# Allegro board hash851-X26_V1_0_180425.brd
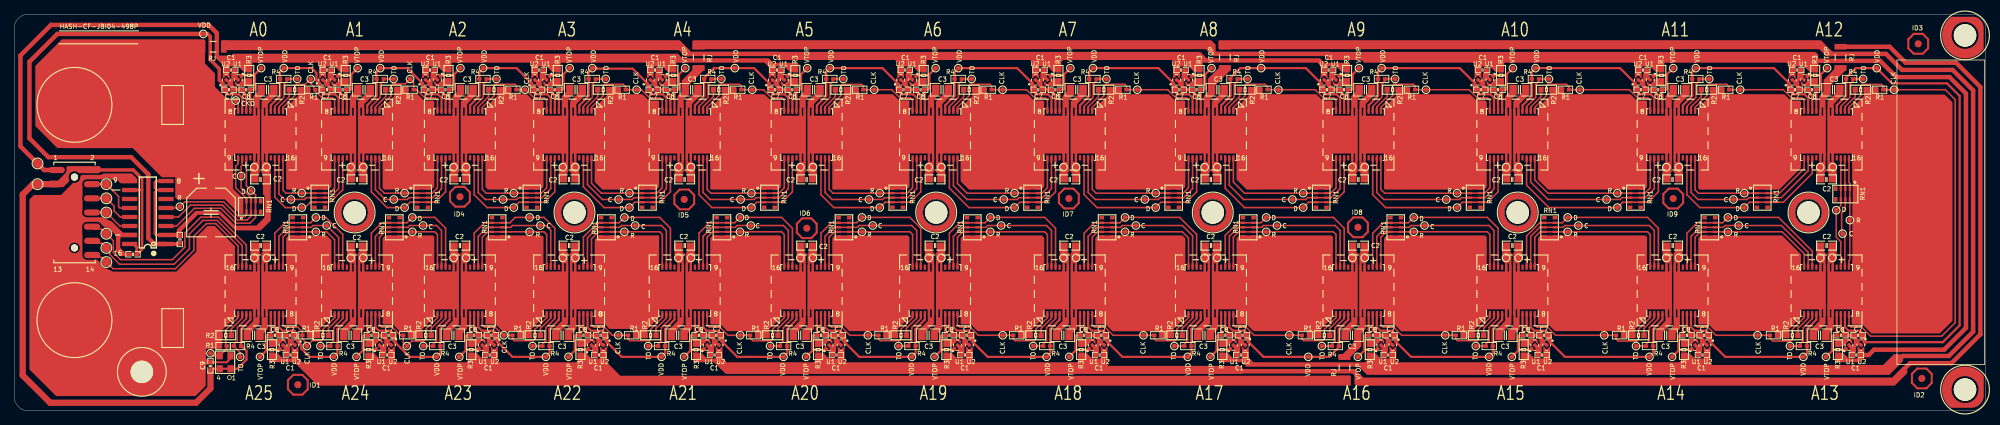
[diagram p0: board, top side]
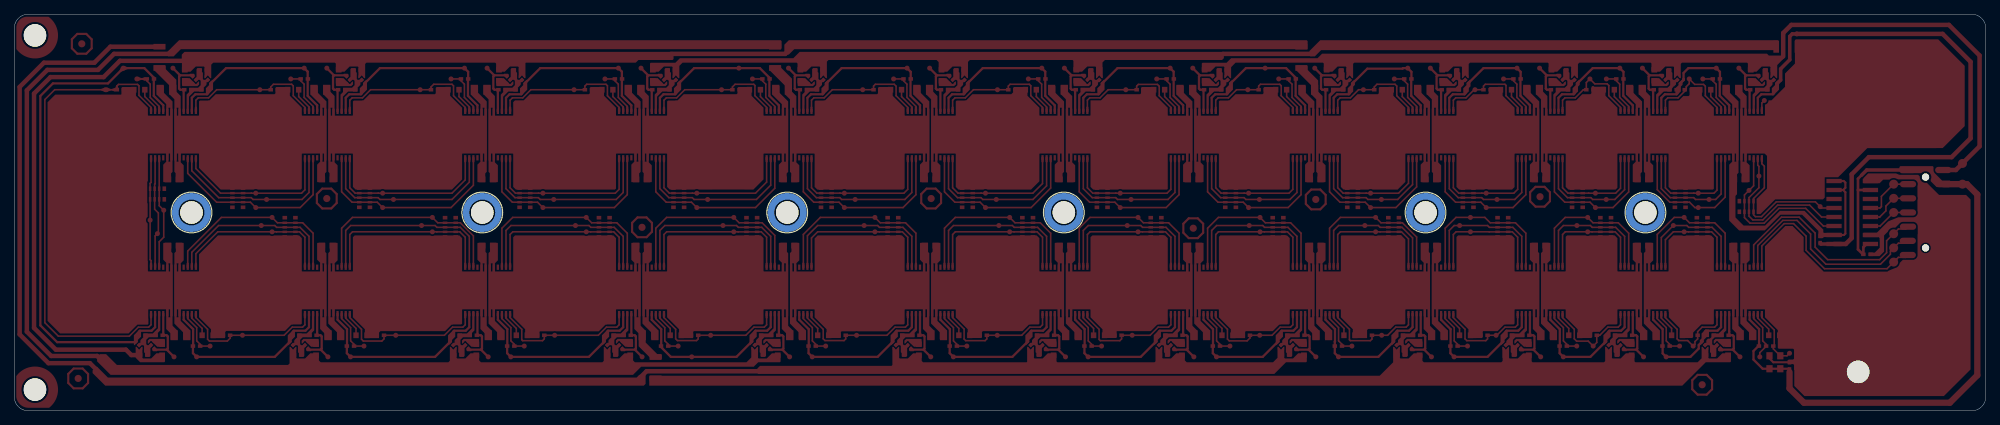
[diagram p1: board, bottom side, seen from below]

Outline 278 x 56 mm; copper layers: TOP, BOTTOM. Coordinates in mm from the lower left corner of the outline.
Outline path: 0,54 arc(0.59,55.41) 2,56 276,56 arc(277.41,55.41) 278,54 278,2 arc(277.41,0.59) 276,0 2,0 arc(0.59,0.59) 0,2 0,54

## Placement (name value [footprint] x y rotation side)
+_A0  -  [TP28]  33.85 34.4 0 top
+_A1  -  [TP28]  47.45 34.4 180 top
+_A2  -  [TP28]  61.95 34.4 0 top
+_A3  -  [TP28]  77.35 34.4 0 top
+_A4  -  [TP28]  93.65 34.4 0 top
+_A5  -  [TP28]  110.85 34.4 0 top
+_A6  -  [TP28]  128.95 34.4 0 top
+_A7  -  [TP28]  147.95 34.4 0 top
+_A8  -  [TP28]  167.85 34.4 0 top
+_A9  -  [TP28]  188.65 34.4 0 top
+_A10  -  [TP28]  210.35 34.4 0 top
+_A11  -  [TP28]  232.95 34.4 0 top
+_A12  -  [TP28]  254.65 34.4 0 top
+_A13  -  [TP28]  256.35 21.6 0 top
+_A14  -  [TP28]  254.65 21.6 180 top
+_A15  -  [TP28]  232.95 21.6 180 top
+_A16  -  [TP28]  210.35 21.6 180 top
+_A17  -  [TP28]  188.65 21.6 180 top
+_A18  -  [TP28]  167.85 21.6 180 top
+_A19  -  [TP28]  147.95 21.6 180 top
+_A20  -  [TP28]  128.95 21.6 180 top
+_A21  -  [TP28]  110.85 21.6 180 top
+_A22  -  [TP28]  93.65 21.6 180 top
+_A23  -  [TP28]  63.73 21.6 180 top
+_A24  -  [TP28]  61.95 21.6 180 top
+_A25  -  [TP28]  35.63 21.6 180 top
-_A0  -  [TP28]  35.58 34.4 180 top
-_A1  -  [TP28]  49.23 34.4 0 top
-_A2  -  [TP28]  63.73 34.4 0 top
-_A3  -  [TP28]  79.13 34.4 0 top
-_A4  -  [TP28]  95.43 34.4 0 top
-_A5  -  [TP28]  112.63 34.4 0 top
-_A6  -  [TP28]  130.73 34.4 0 top
-_A7  -  [TP28]  149.73 34.4 0 top
-_A8  -  [TP28]  169.63 34.4 0 top
-_A9  -  [TP28]  190.43 34.4 0 top
-_A10  -  [TP28]  212.13 34.4 0 top
-_A11  -  [TP28]  234.73 34.4 0 top
-_A12  -  [TP28]  256.43 34.4 0 top
-_A13  -  [TP28]  234.73 21.6 180 top
-_A14  -  [TP28]  212.13 21.6 180 top
-_A15  -  [TP28]  190.43 21.6 180 top
-_A16  -  [TP28]  169.63 21.6 180 top
-_A17  -  [TP28]  149.73 21.6 180 top
-_A18  -  [TP28]  130.73 21.6 180 top
-_A19  -  [TP28]  112.63 21.6 180 top
-_A20  -  [TP28]  95.43 21.6 180 top
-_A21  -  [TP28]  79.13 21.6 180 top
-_A22  -  [TP28]  77.35 21.6 180 top
-_A23  -  [TP28]  49.23 21.6 180 top
-_A24  -  [TP28]  47.45 21.6 180 top
-_A25  -  [TP28]  33.85 21.6 180 top
A8_A0  -  [DFN-A8-007]  34.74 39 270 top
A8_A1  -  [DFN-A8-007]  48.34 39 270 top
A8_A2  -  [DFN-A8-007]  62.84 39 270 top
A8_A3  -  [DFN-A8-007]  78.24 39 270 top
A8_A4  -  [DFN-A8-007]  94.54 39 270 top
A8_A5  -  [DFN-A8-007]  111.74 39 270 top
A8_A6  -  [DFN-A8-007]  129.84 39 270 top
A8_A7  -  [DFN-A8-007]  148.84 39 270 top
A8_A8  -  [DFN-A8-007]  168.74 39 270 top
A8_A9  -  [DFN-A8-007]  189.54 39 270 top
A8_A10  -  [DFN-A8-007]  211.24 39 270 top
A8_A11  -  [DFN-A8-007]  233.84 39 270 top
A8_A12  -  [DFN-A8-007]  255.54 39 270 top
A8_A13  -  [DFN-A8-007]  255.54 17 90 top
A8_A14  -  [DFN-A8-007]  233.84 17 90 top
A8_A15  -  [DFN-A8-007]  211.24 17 90 top
A8_A16  -  [DFN-A8-007]  189.54 17 90 top
A8_A17  -  [DFN-A8-007]  168.74 17 90 top
A8_A18  -  [DFN-A8-007]  148.84 17 90 top
A8_A19  -  [DFN-A8-007]  129.84 17 90 top
A8_A20  -  [DFN-A8-007]  111.74 17 90 top
A8_A21  -  [DFN-A8-007]  94.54 17 90 top
A8_A22  -  [DFN-A8-007]  78.24 17 90 top
A8_A23  -  [DFN-A8-007]  62.84 17 90 top
A8_A24  -  [DFN-A8-007]  48.34 17 90 top
A8_A25  -  [DFN-A8-007]  34.74 17 90 top
C1_A0  -  [C0402]  30.54 48.12 0 top
C1_A1  -  [C0402]  44.14 48.12 0 top
C1_A2  -  [C0402]  58.64 48.12 0 top
C1_A3  -  [C0402]  74.04 48.12 0 top
C1_A4  -  [C0402]  90.34 48.12 0 top
C1_A5  -  [C0402]  107.54 48.12 0 top
C1_A6  -  [C0402]  125.64 48.12 0 top
C1_A7  -  [C0402]  144.64 48.12 0 top
C1_A8  -  [C0402]  164.54 48.12 0 top
C1_A9  -  [C0402]  185.34 48.12 0 top
C1_A10  -  [C0402]  207.04 48.12 0 top
C1_A11  -  [C0402]  229.64 48.12 0 top
C1_A12  -  [C0402]  251.34 48.12 0 top
C1_A13  -  [C0402]  259.74 7.88 180 top
C1_A14  -  [C0402]  238.04 7.88 180 top
C1_A15  -  [C0402]  215.44 7.88 180 top
C1_A16  -  [C0402]  193.74 7.88 180 top
C1_A17  -  [C0402]  172.94 7.88 180 top
C1_A18  -  [C0402]  153.04 7.88 180 top
C1_A19  -  [C0402]  134.04 7.88 180 top
C1_A20  -  [C0402]  115.94 7.88 180 top
C1_A21  -  [C0402]  98.74 7.88 180 top
C1_A22  -  [C0402]  82.44 7.88 180 top
C1_A23  -  [C0402]  67.04 7.88 180 top
C1_A24  -  [C0402]  52.54 7.88 180 top
C1_A25  -  [C0402]  38.94 7.88 180 top
C2_A0  -  [C0603]  34.74 32.68 0 top
C2_A1  -  [C0603]  48.34 32.68 0 top
C2_A2  -  [C0603]  62.84 32.68 0 top
C2_A3  -  [C0603]  78.24 32.68 0 top
C2_A4  -  [C0603]  94.54 32.68 0 top
C2_A5  -  [C0603]  111.74 32.68 0 top
C2_A6  -  [C0603]  129.84 32.68 0 top
C2_A7  -  [C0603]  148.84 32.68 0 top
C2_A8  -  [C0603]  168.74 32.68 0 top
C2_A9  -  [C0603]  189.54 32.68 0 top
C2_A10  -  [C0603]  211.24 32.68 0 top
C2_A11  -  [C0603]  233.84 32.68 0 top
C2_A12  -  [C0603]  255.54 32.68 0 top
C2_A13  -  [C0603]  255.54 23.32 180 top
C2_A14  -  [C0603]  233.84 23.32 180 top
C2_A15  -  [C0603]  211.24 23.32 180 top
C2_A16  -  [C0603]  189.54 23.32 180 top
C2_A17  -  [C0603]  168.74 23.32 180 top
C2_A18  -  [C0603]  148.84 23.32 180 top
C2_A19  -  [C0603]  129.84 23.32 180 top
C2_A20  -  [C0603]  111.74 23.32 180 top
C2_A21  -  [C0603]  94.54 23.32 180 top
C2_A22  -  [C0603]  78.24 23.32 180 top
C2_A23  -  [C0603]  62.84 23.32 180 top
C2_A24  -  [C0603]  48.34 23.32 180 top
C2_A25  -  [C0603]  34.74 23.32 180 top
C3_A0  -  [C0805]  35.73 45.33 0 top
C3_A1  -  [C0805]  49.33 45.33 0 top
C3_A2  -  [C0805]  63.83 45.33 0 top
C3_A3  -  [C0805]  79.23 45.33 0 top
C3_A4  -  [C0805]  95.53 45.33 0 top
C3_A5  -  [C0805]  112.73 45.33 0 top
C3_A6  -  [C0805]  130.83 45.33 0 top
C3_A7  -  [C0805]  149.83 45.33 0 top
C3_A8  -  [C0805]  169.73 45.33 0 top
C3_A9  -  [C0805]  190.53 45.33 0 top
C3_A10  -  [C0805]  212.23 45.33 0 top
C3_A11  -  [C0805]  234.83 45.33 0 top
C3_A12  -  [C0805]  256.53 45.33 0 top
C3_A13  -  [C0805]  254.55 10.67 180 top
C3_A14  -  [C0805]  232.86 10.67 180 top
C3_A15  -  [C0805]  210.26 10.67 180 top
C3_A16  -  [C0805]  188.56 10.67 180 top
C3_A17  -  [C0805]  167.76 10.67 180 top
C3_A18  -  [C0805]  147.86 10.67 180 top
C3_A19  -  [C0805]  128.86 10.67 180 top
C3_A20  -  [C0805]  110.76 10.67 180 top
C3_A21  -  [C0805]  93.56 10.67 180 top
C3_A22  -  [C0805]  77.26 10.67 180 top
C3_A23  -  [C0805]  61.86 10.67 180 top
C3_A24  -  [C0805]  47.35 10.67 180 top
C3_A25  -  [C0805]  33.76 10.67 180 top
C4  -  [C6666-100]  27.75 28 180 top
C5  -  [C0402]  23.36 24.19 90 top
C6  -  [C0402]  16.75 22.1 180 top
C7_A0  -  [C0402]  30.3 45.33 0 top
C7_A1  -  [C0402]  44.1 45.33 0 top
C7_A2  -  [C0402]  58.4 45.33 0 top
C7_A3  -  [C0402]  73.8 45.33 0 top
C7_A4  -  [C0402]  90.1 45.33 0 top
C7_A5  -  [C0402]  107.3 45.33 0 top
C7_A6  -  [C0402]  125.4 45.33 0 top
C7_A7  -  [C0402]  144.4 45.33 0 top
C7_A8  -  [C0402]  164.3 45.33 0 top
C7_A9  -  [C0402]  185.1 45.33 0 top
C7_A10  -  [C0402]  206.8 45.33 0 top
C7_A11  -  [C0402]  229.4 45.33 0 top
C7_A12  -  [C0402]  251.1 45.33 0 top
C7_A13  -  [C0402]  259.98 10.67 180 top
C7_A14  -  [C0402]  238.28 10.67 180 top
C7_A15  -  [C0402]  215.68 10.67 180 top
C7_A16  -  [C0402]  193.98 10.67 180 top
C7_A17  -  [C0402]  173.18 10.67 180 top
C7_A18  -  [C0402]  153.28 10.67 180 top
C7_A19  -  [C0402]  134.28 10.67 180 top
C7_A20  -  [C0402]  116.18 10.67 180 top
C7_A21  -  [C0402]  98.98 10.67 180 top
C7_A22  -  [C0402]  82.68 10.67 180 top
C7_A23  -  [C0402]  67.28 10.67 180 top
C7_A24  -  [C0402]  52.78 10.67 180 top
C7_A25  -  [C0402]  38.85 10.67 180 top
C8_A0  -  [C0402]  32.71 45.33 0 top
C8_A1  -  [C0402]  46.31 45.33 0 top
C8_A2  -  [C0402]  60.81 45.33 0 top
C8_A3  -  [C0402]  76.21 45.33 0 top
C8_A4  -  [C0402]  92.51 45.33 0 top
C8_A5  -  [C0402]  109.71 45.33 0 top
C8_A6  -  [C0402]  127.81 45.33 0 top
C8_A7  -  [C0402]  146.81 45.33 0 top
C8_A8  -  [C0402]  166.71 45.33 0 top
C8_A9  -  [C0402]  187.51 45.33 0 top
C8_A10  -  [C0402]  209.21 45.33 0 top
C8_A11  -  [C0402]  231.81 45.33 0 top
C8_A12  -  [C0402]  253.51 45.33 0 top
C8_A13  -  [C0402]  257.57 10.67 180 top
C8_A14  -  [C0402]  235.87 10.67 180 top
C8_A15  -  [C0402]  213.27 10.67 180 top
C8_A16  -  [C0402]  191.57 10.67 180 top
C8_A17  -  [C0402]  170.77 10.67 180 top
C8_A18  -  [C0402]  150.87 10.67 180 top
C8_A19  -  [C0402]  131.87 10.67 180 top
C8_A20  -  [C0402]  113.77 10.67 180 top
C8_A21  -  [C0402]  96.57 10.67 180 top
C8_A22  -  [C0402]  80.27 10.67 180 top
C8_A23  -  [C0402]  64.87 10.67 180 top
C8_A24  -  [C0402]  50.37 10.67 180 top
C8_A25  -  [C0402]  36.77 10.67 180 top
C9  -  [C0402]  27.68 6.35 90 top
C_A0  -  [TP28]  31.99 33.15 180 top
C_A1  -  [TP28]  39.02 29.84 180 top
C_A2  -  [TP28]  53.52 29.84 180 top
C_A3  -  [TP28]  68.92 29.84 180 top
C_A4  -  [TP28]  85.22 29.84 180 top
C_A5  -  [TP28]  102.42 29.84 180 top
C_A6  -  [TP28]  120.52 29.84 180 top
C_A7  -  [TP28]  139.52 29.84 180 top
C_A8  -  [TP28]  159.42 29.84 180 top
C_A9  -  [TP28]  180.22 29.84 180 top
C_A10  -  [TP28]  201.92 29.84 180 top
C_A11  -  [TP28]  224.52 29.84 180 top
C_A12  -  [TP28]  242.41 29.84 180 top
C_A13  -  [TP28]  257.8 25.02 0 top
C_A14  -  [TP28]  243.16 26.16 0 top
C_A15  -  [TP28]  220.56 26.16 0 top
C_A16  -  [TP28]  198.86 26.16 0 top
C_A17  -  [TP28]  178.06 26.16 0 top
C_A18  -  [TP28]  158.16 26.16 0 top
C_A19  -  [TP28]  139.16 26.16 0 top
C_A20  -  [TP28]  121.06 26.16 0 top
C_A21  -  [TP28]  103.86 26.16 0 top
C_A22  -  [TP28]  87.56 26.16 0 top
C_A23  -  [TP28]  74.19 26.16 0 top
C_A24  -  [TP28]  57.66 26.16 0 top
C_A25  -  [TP28]  44.06 26.16 0 top
CI  -  [TP50]  13 23 0 top
CLK  -  [TP28]  27.68 8.13 0 top
CLK_A0  -  [TP28]  31.23 43.81 180 top
CLK_A1  -  [TP28]  41.82 46.86 180 top
CLK_A2  -  [TP28]  55.82 46.86 180 top
CLK_A3  -  [TP28]  72.03 45.33 180 top
CLK_A4  -  [TP28]  87.76 45.33 180 top
CLK_A5  -  [TP28]  104.06 45.33 180 top
CLK_A6  -  [TP28]  121.26 45.33 180 top
CLK_A7  -  [TP28]  139.36 45.33 180 top
CLK_A8  -  [TP28]  158.36 45.33 180 top
CLK_A9  -  [TP28]  178.26 45.33 180 top
CLK_A10  -  [TP28]  199.06 45.33 180 top
CLK_A11  -  [TP28]  220.76 45.33 180 top
CLK_A12  -  [TP28]  243.36 45.33 180 top
CLK_A13  -  [TP28]  265.06 45.33 180 top
CLK_A14  -  [TP28]  245.81 10.67 0 top
CLK_A15  -  [TP28]  224.2 10.67 0 top
CLK_A16  -  [TP28]  201.79 10.67 0 top
CLK_A17  -  [TP28]  179.8 10.67 0 top
CLK_A18  -  [TP28]  159.22 10.67 0 top
CLK_A19  -  [TP28]  139.39 10.67 0 top
CLK_A20  -  [TP28]  120.36 10.67 0 top
CLK_A21  -  [TP28]  102.38 10.67 0 top
CLK_A22  -  [TP28]  85.18 10.67 0 top
CLK_A23  -  [TP28]  69.05 10.67 0 top
CLK_A24  -  [TP28]  55.36 9.14 0 top
CLK_A25  -  [TP28]  41.27 9.14 0 top
CO  -  [TP50]  13 30 0 top
D_A0  -  [TP28]  33.39 31.11 180 top
D_A1  -  [TP28]  40.55 28.7 180 top
D_A2  -  [TP28]  55.05 28.7 180 top
D_A3  -  [TP28]  70.45 28.7 180 top
D_A4  -  [TP28]  86.75 28.7 180 top
D_A5  -  [TP28]  103.95 28.7 180 top
D_A6  -  [TP28]  122.05 28.7 180 top
D_A7  -  [TP28]  141.05 28.7 180 top
D_A8  -  [TP28]  160.95 28.7 180 top
D_A9  -  [TP28]  181.75 28.7 180 top
D_A10  -  [TP28]  203.45 28.7 180 top
D_A11  -  [TP28]  226.05 28.7 180 top
D_A12  -  [TP28]  243.94 28.7 180 top
D_A13  -  [TP28]  256.91 28.32 0 top
D_A14  -  [TP28]  241.64 27.3 0 top
D_A15  -  [TP28]  219.04 27.3 0 top
D_A16  -  [TP28]  197.34 27.3 0 top
D_A17  -  [TP28]  176.54 27.3 0 top
D_A18  -  [TP28]  156.64 27.3 0 top
D_A19  -  [TP28]  137.64 27.3 0 top
D_A20  -  [TP28]  119.54 27.3 0 top
D_A21  -  [TP28]  102.34 27.3 0 top
D_A22  -  [TP28]  86.04 27.3 0 top
D_A23  -  [TP28]  72.67 27.3 0 top
D_A24  -  [TP28]  56.14 27.3 0 top
D_A25  -  [TP28]  42.54 27.3 0 top
DI  -  [TP50]  13 25 0 top
DO  -  [TP50]  13 28 0 top
GND1  -  [PILLAR-10_2MM]  8.5 12.8 0 top
GND2  -  [TP40]  22.34 11.68 0 top
ID1  -  [ID1]  40 3.68 0 top
ID2  -  [ID1]  268.98 4.57 0 top
ID3  -  [ID1]  268.47 51.82 0 top
ID4  -  [ID1]  62.86 30.23 0 top
ID5  -  [ID1]  94.48 29.84 0 top
ID6  -  [ID1]  111.75 25.78 0 top
ID7  -  [ID1]  148.71 29.97 0 top
ID8  -  [ID1]  189.47 25.91 0 top
ID9  -  [ID1]  233.92 29.97 0 top
J1  -  [HEAD-IDC-14-80-275-P2-SMD]  8.5 28 270 top
M0  -  [HOLE-M3-NP-C]  18 5.5 0 top
M1  -  [HOLE-M3-NP-C]  275.07 53 0 top
M2  -  [HOLE-M3-NP-B]  169 28 0 top
M3  -  [HOLE-M3-NP-B]  130 28 0 top
M4  -  [HOLE-M3-NP-B]  79 28 0 top
M5  -  [HOLE-M3-NP-B]  212 28 0 top
M6  -  [HOLE-M3-NP-C]  275.07 3 0 top
M7  -  [HOLE-M3-NP-B]  253 28 0 top
M8  -  [HOLE-M3-NP-B]  48 28 0 top
NOREF  -  []  96.27 107.09 0 top
NOREF#2  -  []  55.54 85.54 0 top
NOREF#3  -  []  20.3 131.18 0 top
NOREF#4  -  []  47.01 80.16 0 top
OSC  -  [X4-2520-010]  29.74 6.86 90 top
R1_A0  -  [R0402]  41.94 45.33 0 top
R1_A1  -  [R0402]  55.82 45.33 0 top
R1_A2  -  [R0402]  70.32 45.33 0 top
R1_A3  -  [R0402]  85.72 45.33 0 top
R1_A4  -  [R0402]  102.02 45.33 0 top
R1_A5  -  [R0402]  119.22 45.33 0 top
R1_A6  -  [R0402]  137.32 45.33 0 top
R1_A7  -  [R0402]  156.32 45.33 0 top
R1_A8  -  [R0402]  176.22 45.33 0 top
R1_A9  -  [R0402]  197.02 45.33 0 top
R1_A10  -  [R0402]  218.72 45.33 0 top
R1_A11  -  [R0402]  241.32 45.33 0 top
R1_A12  -  [R0402]  263.02 45.33 0 top
R1_A13  -  [R0402]  248.06 10.67 180 top
R1_A14  -  [R0402]  226.36 10.67 180 top
R1_A15  -  [R0402]  203.76 10.67 180 top
R1_A16  -  [R0402]  182.06 10.67 180 top
R1_A17  -  [R0402]  161.26 10.67 180 top
R1_A18  -  [R0402]  141.36 10.67 180 top
R1_A19  -  [R0402]  122.36 10.67 180 top
R1_A20  -  [R0402]  104.26 10.67 180 top
R1_A21  -  [R0402]  87.06 10.67 180 top
R1_A22  -  [R0402]  70.76 10.67 180 top
R1_A23  -  [R0402]  55.36 10.67 180 top
R1_A24  -  [R0402]  41.14 10.67 180 top
R1_A25  -  [R0402]  29.45 9.14 0 top
R2_A0  -  [R0603]  39.55 45.33 0 top
R2_A1  -  [R0603]  53.15 45.33 0 top
R2_A2  -  [R0603]  67.65 45.33 0 top
R2_A3  -  [R0603]  83.05 45.33 0 top
R2_A4  -  [R0603]  99.35 45.33 0 top
R2_A5  -  [R0603]  116.55 45.33 0 top
R2_A6  -  [R0603]  134.65 45.33 0 top
R2_A7  -  [R0603]  153.65 45.33 0 top
R2_A8  -  [R0603]  173.55 45.33 0 top
R2_A9  -  [R0603]  194.35 45.33 0 top
R2_A10  -  [R0603]  216.05 45.33 0 top
R2_A11  -  [R0603]  238.65 45.33 0 top
R2_A12  -  [R0603]  260.35 45.33 0 top
R2_A13  -  [R0603]  250.73 10.67 180 top
R2_A14  -  [R0603]  229.03 10.67 180 top
R2_A15  -  [R0603]  206.43 10.67 180 top
R2_A16  -  [R0603]  184.73 10.67 180 top
R2_A17  -  [R0603]  163.93 10.67 180 top
R2_A18  -  [R0603]  144.03 10.67 180 top
R2_A19  -  [R0603]  125.03 10.67 180 top
R2_A20  -  [R0603]  106.93 10.67 180 top
R2_A21  -  [R0603]  89.73 10.67 180 top
R2_A22  -  [R0603]  73.43 10.67 180 top
R2_A23  -  [R0603]  58.03 10.67 180 top
R2_A24  -  [R0603]  43.53 10.67 180 top
R2_A25  -  [R0603]  29.84 10.67 180 top
R3_A0  -  [R0603]  33.14 47.36 270 top
R3_A1  -  [R0603]  46.74 47.36 270 top
R3_A2  -  [R0603]  61.24 47.36 270 top
R3_A3  -  [R0603]  76.64 47.36 270 top
R3_A4  -  [R0603]  92.94 47.36 270 top
R3_A5  -  [R0603]  110.14 47.36 270 top
R3_A6  -  [R0603]  128.24 47.36 270 top
R3_A7  -  [R0603]  147.24 47.36 270 top
R3_A8  -  [R0603]  167.14 47.36 270 top
R3_A9  -  [R0603]  187.94 47.36 270 top
R3_A10  -  [R0603]  209.64 47.36 270 top
R3_A11  -  [R0603]  232.24 47.36 270 top
R3_A12  -  [R0603]  253.94 47.36 270 top
R3_A13  -  [R0603]  257.14 8.64 90 top
R3_A14  -  [R0603]  235.44 8.64 90 top
R3_A15  -  [R0603]  212.84 8.64 90 top
R3_A16  -  [R0603]  191.14 8.64 90 top
R3_A17  -  [R0603]  170.34 8.64 90 top
R3_A18  -  [R0603]  150.44 8.64 90 top
R3_A19  -  [R0603]  131.44 8.64 90 top
R3_A20  -  [R0603]  113.34 8.64 90 top
R3_A21  -  [R0603]  96.14 8.64 90 top
R3_A22  -  [R0603]  79.84 8.64 90 top
R3_A23  -  [R0603]  64.44 8.64 90 top
R3_A24  -  [R0603]  49.94 8.64 90 top
R3_A25  -  [R0603]  36.34 8.64 90 top
R4_A0  -  [R0402]  38 46.86 0 top
R4_A1  -  [R0402]  51.6 46.86 0 top
R4_A2  -  [R0402]  66.1 46.86 0 top
R4_A3  -  [R0402]  81.5 46.86 0 top
R4_A4  -  [R0402]  97.8 46.86 0 top
R4_A5  -  [R0402]  115 46.86 0 top
R4_A6  -  [R0402]  133.1 46.86 0 top
R4_A7  -  [R0402]  152.1 46.86 0 top
R4_A8  -  [R0402]  172 46.86 0 top
R4_A9  -  [R0402]  192.8 46.86 0 top
R4_A10  -  [R0402]  214.5 46.86 0 top
R4_A11  -  [R0402]  237.1 46.86 0 top
R4_A12  -  [R0402]  258.8 46.86 0 top
R4_A13  -  [R0402]  252.29 9.14 180 top
R4_A14  -  [R0402]  230.59 9.14 180 top
R4_A15  -  [R0402]  207.99 9.14 180 top
R4_A16  -  [R0402]  186.29 9.14 180 top
R4_A17  -  [R0402]  165.49 9.14 180 top
R4_A18  -  [R0402]  145.59 9.14 180 top
R4_A19  -  [R0402]  126.59 9.14 180 top
R4_A20  -  [R0402]  108.49 9.14 180 top
R4_A21  -  [R0402]  91.29 9.14 180 top
R4_A22  -  [R0402]  74.99 9.14 180 top
R4_A23  -  [R0402]  59.59 9.14 180 top
R4_A24  -  [R0402]  45.09 9.14 180 top
R4_A25  -  [R0402]  31.49 9.14 180 top
R_A0  -  [TP28]  23.36 28.83 180 top
R_A1  -  [TP28]  40.55 30.73 180 top
R_A2  -  [TP28]  55.05 30.73 180 top
R_A3  -  [TP28]  70.45 30.73 180 top
R_A4  -  [TP28]  86.75 30.73 180 top
R_A5  -  [TP28]  103.95 30.73 180 top
R_A6  -  [TP28]  122.05 30.73 180 top
R_A7  -  [TP28]  141.05 30.73 180 top
R_A8  -  [TP28]  160.95 30.73 180 top
R_A9  -  [TP28]  181.75 30.73 180 top
R_A10  -  [TP28]  203.45 30.73 180 top
R_A11  -  [TP28]  226.05 30.73 180 top
R_A12  -  [TP28]  243.94 30.73 180 top
R_A13  -  [TP28]  258.83 26.92 0 top
R_A14  -  [TP28]  241.64 25.27 0 top
R_A15  -  [TP28]  219.04 25.27 0 top
R_A16  -  [TP28]  197.34 25.27 0 top
R_A17  -  [TP28]  176.54 25.27 0 top
R_A18  -  [TP28]  156.64 25.27 0 top
R_A19  -  [TP28]  137.64 25.27 0 top
R_A20  -  [TP28]  119.54 25.27 0 top
R_A21  -  [TP28]  102.34 25.27 0 top
R_A22  -  [TP28]  86.04 25.27 0 top
R_A23  -  [TP28]  72.67 25.27 0 top
R_A24  -  [TP28]  56.14 25.27 0 top
R_A25  -  [TP28]  42.54 25.27 0 top
RI  -  [TP50]  13 21 0 top
RJ1  -  [R1206]  187.57 6.1 270 top
RJ2  -  [R1206]  257.51 49.9 270 top
RJ3  -  [R1206]  170.71 49.9 270 top
RJ4  -  [R1206]  96.51 49.9 90 top
RJ5  -  [R1206]  28.06 51.4 0 top
RN1_A0  -  [RN0402-8-A]  33.39 28.85 270 top
RN1_A1  -  [RN0402-8-A]  43.09 30.09 180 top
RN1_A2  -  [RN0402-8-A]  57.59 30.09 180 top
RN1_A3  -  [RN0402-8-A]  72.99 30.09 180 top
RN1_A4  -  [RN0402-8-A]  89.29 30.09 180 top
RN1_A5  -  [RN0402-8-A]  106.49 30.09 180 top
RN1_A6  -  [RN0402-8-A]  124.59 30.09 180 top
RN1_A7  -  [RN0402-8-A]  143.59 30.09 180 top
RN1_A8  -  [RN0402-8-A]  163.49 30.09 180 top
RN1_A9  -  [RN0402-8-A]  184.29 30.09 180 top
RN1_A10  -  [RN0402-8-A]  205.99 30.09 180 top
RN1_A11  -  [RN0402-8-A]  228.59 30.09 180 top
RN1_A12  -  [RN0402-8-A]  246.48 30.09 180 top
RN1_A13  -  [RN0402-8-A]  258.19 30.61 90 top
RN1_A14  -  [RN0402-8-A]  239.1 25.91 0 top
RN1_A15  -  [RN0402-8-A]  216.5 25.91 0 top
RN1_A16  -  [RN0402-8-A]  194.8 25.91 0 top
RN1_A17  -  [RN0402-8-A]  174 25.91 0 top
RN1_A18  -  [RN0402-8-A]  154.1 25.91 0 top
RN1_A19  -  [RN0402-8-A]  135.1 25.91 0 top
RN1_A20  -  [RN0402-8-A]  117 25.91 0 top
RN1_A21  -  [RN0402-8-A]  99.8 25.91 0 top
RN1_A22  -  [RN0402-8-A]  83.5 25.91 0 top
RN1_A23  -  [RN0402-8-A]  68.1 25.91 0 top
RN1_A24  -  [RN0402-8-A]  53.6 25.91 0 top
RN1_A25  -  [RN0402-8-A]  40 25.91 0 top
RO  -  [TP50]  13 32 0 top
TO_A0  -  [TP28]  39.9 46.86 0 top
TO_A1  -  [TP28]  53.5 46.86 0 top
TO_A2  -  [TP28]  68 46.86 0 top
TO_A3  -  [TP28]  83.4 46.86 0 top
TO_A4  -  [TP28]  99.7 46.86 0 top
TO_A5  -  [TP28]  116.9 46.86 0 top
TO_A6  -  [TP28]  135 46.86 0 top
TO_A7  -  [TP28]  154 46.86 0 top
TO_A8  -  [TP28]  173.9 46.86 0 top
TO_A9  -  [TP28]  194.7 46.86 0 top
TO_A10  -  [TP28]  216.4 46.86 0 top
TO_A11  -  [TP28]  239 46.86 0 top
TO_A12  -  [TP28]  260.7 46.86 0 top
TO_A13  -  [TP28]  250.38 9.14 180 top
TO_A14  -  [TP28]  228.68 9.14 180 top
TO_A15  -  [TP28]  206.08 9.14 180 top
TO_A16  -  [TP28]  184.38 9.14 180 top
TO_A17  -  [TP28]  163.58 9.14 180 top
TO_A18  -  [TP28]  143.68 9.14 180 top
TO_A19  -  [TP28]  124.68 9.14 180 top
TO_A20  -  [TP28]  106.58 9.14 180 top
TO_A21  -  [TP28]  89.38 9.14 180 top
TO_A22  -  [TP28]  73.08 9.14 180 top
TO_A23  -  [TP28]  57.68 9.14 180 top
TO_A24  -  [TP28]  43.18 9.14 180 top
TO_A25  -  [TP28]  31.87 7.62 180 top
U1_A0  -  [DFN4-065-0101-006-N]  31.59 46.72 180 top
U1_A1  -  [DFN4-065-0101-006-N]  45.19 46.72 180 top
U1_A2  -  [DFN4-065-0101-006-N]  59.69 46.72 180 top
U1_A3  -  [DFN4-065-0101-006-N]  75.09 46.72 180 top
U1_A4  -  [DFN4-065-0101-006-N]  91.39 46.72 180 top
U1_A5  -  [DFN4-065-0101-006-N]  108.59 46.72 180 top
U1_A6  -  [DFN4-065-0101-006-N]  126.69 46.72 180 top
U1_A7  -  [DFN4-065-0101-006-N]  145.69 46.72 180 top
U1_A8  -  [DFN4-065-0101-006-N]  165.59 46.72 180 top
U1_A9  -  [DFN4-065-0101-006-N]  186.39 46.72 180 top
U1_A10  -  [DFN4-065-0101-006-N]  208.09 46.72 180 top
U1_A11  -  [DFN4-065-0101-006-N]  230.69 46.72 180 top
U1_A12  -  [DFN4-065-0101-006-N]  252.39 46.72 180 top
U1_A13  -  [DFN4-065-0101-006-N]  258.7 9.28 0 top
U1_A14  -  [DFN4-065-0101-006-N]  237 9.28 0 top
U1_A15  -  [DFN4-065-0101-006-N]  214.4 9.28 0 top
U1_A16  -  [DFN4-065-0101-006-N]  192.7 9.28 0 top
U1_A17  -  [DFN4-065-0101-006-N]  171.9 9.28 0 top
U1_A18  -  [DFN4-065-0101-006-N]  152 9.28 0 top
U1_A19  -  [DFN4-065-0101-006-N]  133 9.28 0 top
U1_A20  -  [DFN4-065-0101-006-N]  114.9 9.28 0 top
U1_A21  -  [DFN4-065-0101-006-N]  97.7 9.28 0 top
U1_A22  -  [DFN4-065-0101-006-N]  81.4 9.28 0 top
U1_A23  -  [DFN4-065-0101-006-N]  66 9.28 0 top
U1_A24  -  [DFN4-065-0101-006-N]  51.5 9.28 0 top
U1_A25  -  [DFN4-065-0101-006-N]  37.9 9.28 0 top
U2_A0  -  [DFN4-065-0101-006-N]  29.9 46.72 0 top
U2_A1  -  [DFN4-065-0101-006-N]  43.5 46.72 0 top
U2_A2  -  [DFN4-065-0101-006-N]  58 46.72 0 top
U2_A3  -  [DFN4-065-0101-006-N]  73.4 46.72 0 top
U2_A4  -  [DFN4-065-0101-006-N]  89.7 46.72 0 top
U2_A5  -  [DFN4-065-0101-006-N]  106.9 46.72 0 top
U2_A6  -  [DFN4-065-0101-006-N]  125 46.72 0 top
U2_A7  -  [DFN4-065-0101-006-N]  144 46.72 0 top
U2_A8  -  [DFN4-065-0101-006-N]  163.9 46.72 0 top
U2_A9  -  [DFN4-065-0101-006-N]  184.7 46.72 0 top
U2_A10  -  [DFN4-065-0101-006-N]  206.4 46.72 0 top
U2_A11  -  [DFN4-065-0101-006-N]  229 46.72 0 top
U2_A12  -  [DFN4-065-0101-006-N]  250.7 46.72 0 top
U2_A13  -  [DFN4-065-0101-006-N]  260.38 9.28 180 top
U2_A14  -  [DFN4-065-0101-006-N]  238.68 9.28 180 top
U2_A15  -  [DFN4-065-0101-006-N]  216.08 9.28 180 top
U2_A16  -  [DFN4-065-0101-006-N]  194.38 9.28 180 top
U2_A17  -  [DFN4-065-0101-006-N]  173.58 9.28 180 top
U2_A18  -  [DFN4-065-0101-006-N]  153.68 9.28 180 top
U2_A19  -  [DFN4-065-0101-006-N]  134.68 9.28 180 top
U2_A20  -  [DFN4-065-0101-006-N]  116.58 9.28 180 top
U2_A21  -  [DFN4-065-0101-006-N]  99.38 9.28 180 top
U2_A22  -  [DFN4-065-0101-006-N]  83.08 9.28 180 top
U2_A23  -  [DFN4-065-0101-006-N]  67.68 9.28 180 top
U2_A24  -  [DFN4-065-0101-006-N]  53.18 9.28 180 top
U2_A25  -  [DFN4-065-0101-006-N]  39.58 9.28 180 top
U3  -  [SOP16-50-157-69]  18.84 28 180 top
UNK1V8  -  [TP50]  3.29 32 0 top
UNK12V  -  [TP50]  3.29 34.92 0 top